# KiCad board owl-driver-board-16.kicad_pcb (continued)
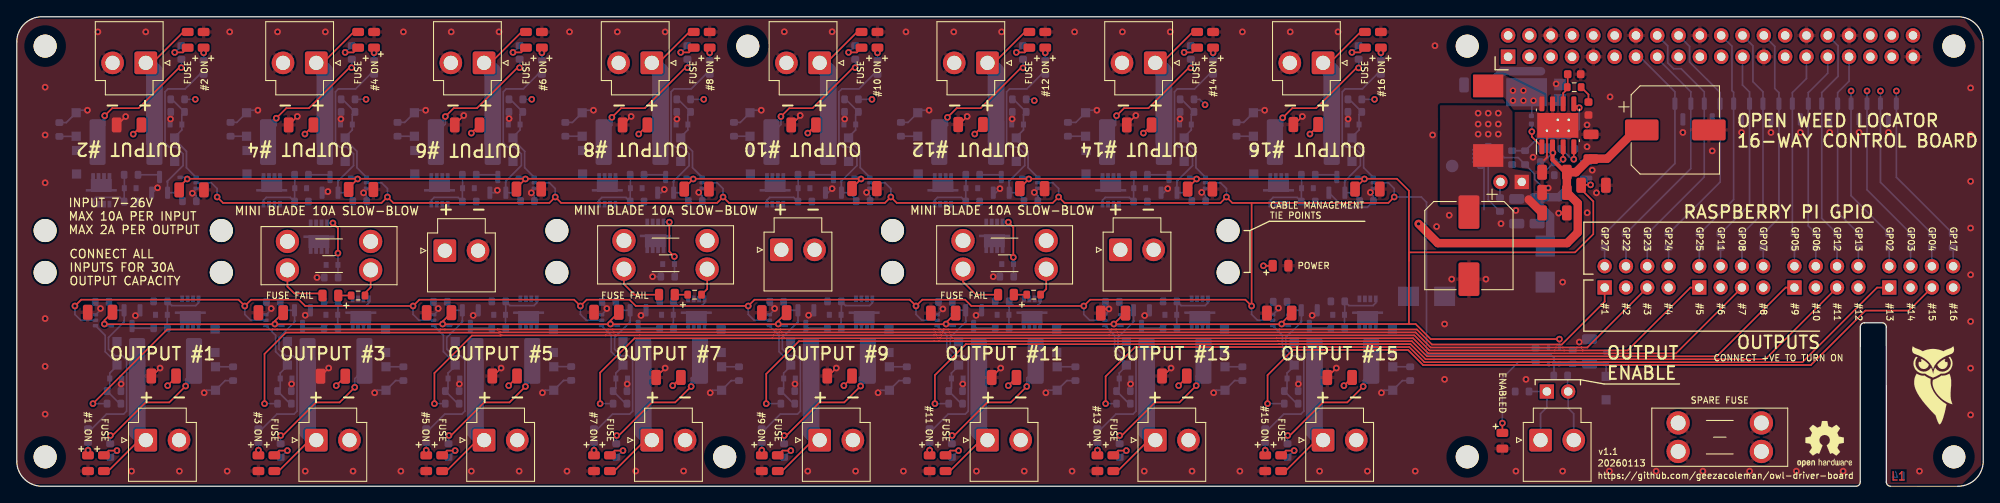
[diagram p0: board, top side]
## Placement (name value [footprint] x y rotation side) (continued)
R101  1k  [R_0603_1608Metric]  111.9 9.85 180 bottom
R102  10k  [R_0603_1608Metric]  111.9 11.35 180 bottom
R103  470  [R_0603_1608Metric]  108.8 6.05 90 bottom
R104  10k  [R_0603_1608Metric]  110.68 22 0 bottom
R105  1k  [R_0603_1608Metric]  117.45 22.05 180 bottom
R106  470  [R_0603_1608Metric]  117.45 18.85 0 bottom
R107  1k  [R_0603_1608Metric]  111.45 4.25 90 bottom
R108  1k  [R_0603_1608Metric]  119.49 46.15 0 bottom
R109  10k  [R_0603_1608Metric]  119.49 44.65 0 bottom
R110  470  [R_0603_1608Metric]  122.59 49.95 270 bottom
R111  10k  [R_0603_1608Metric]  120.88 34 180 bottom
R112  1k  [R_0603_1608Metric]  113.94 33.95 0 bottom
R113  470  [R_0603_1608Metric]  113.94 37.15 180 bottom
R114  1k  [R_0603_1608Metric]  119.94 51.75 270 bottom
R115  1k  [R_0603_1608Metric]  131.9 9.85 180 bottom
R116  10k  [R_0603_1608Metric]  131.9 11.35 180 bottom
R117  470  [R_0603_1608Metric]  128.8 6.05 90 bottom
R118  10k  [R_0603_1608Metric]  130.58 22 0 bottom
R119  1k  [R_0603_1608Metric]  137.45 22.05 180 bottom
R120  470  [R_0603_1608Metric]  137.45 18.85 0 bottom
R121  1k  [R_0603_1608Metric]  131.45 4.25 90 bottom
R122  1k  [R_0603_1608Metric]  139.49 46.15 0 bottom
R123  10k  [R_0603_1608Metric]  139.49 44.65 0 bottom
R124  470  [R_0603_1608Metric]  142.59 49.95 270 bottom
R125  10k  [R_0603_1608Metric]  140.88 34 180 bottom
R126  1k  [R_0603_1608Metric]  133.94 33.95 0 bottom
R127  470  [R_0603_1608Metric]  133.94 37.15 180 bottom
R128  1k  [R_0603_1608Metric]  139.94 51.75 270 bottom
R129  1k  [R_0603_1608Metric]  151.9 9.85 180 bottom
R130  10k  [R_0603_1608Metric]  151.9 11.35 180 bottom
R131  470  [R_0603_1608Metric]  148.8 6.05 90 bottom
R132  10k  [R_0603_1608Metric]  150.58 22 0 bottom
R133  1k  [R_0603_1608Metric]  157.45 22.05 180 bottom
R134  470  [R_0603_1608Metric]  157.45 18.85 0 bottom
R135  1k  [R_0603_1608Metric]  151.45 4.25 90 bottom
R136  1k  [R_0603_1608Metric]  159.49 46.15 0 bottom
R137  10k  [R_0603_1608Metric]  159.49 44.65 0 bottom
R138  470  [R_0603_1608Metric]  162.59 49.95 270 bottom
R139  10k  [R_0603_1608Metric]  160.88 34 180 bottom
R140  1k  [R_0603_1608Metric]  153.94 33.95 0 bottom
R141  470  [R_0603_1608Metric]  153.94 37.15 180 bottom
R142  1k  [R_0603_1608Metric]  159.94 51.75 270 bottom
R143  470  [R_0603_1608Metric]  219.56 29.3 270 bottom
R144  470  [R_0603_1608Metric]  216.96 29.3 270 bottom
R145  470  [R_0603_1608Metric]  214.46 29.3 270 bottom
R146  470  [R_0603_1608Metric]  211.86 29.3 270 bottom
R154  10k  [R_0603_1608Metric]  25.78 13.43 90 bottom
R155  10k  [R_0603_1608Metric]  5.08 42.55 270 bottom
R156  10k  [R_0603_1608Metric]  46.08 13.43 90 bottom
R157  10k  [R_0603_1608Metric]  25.48 42.58 270 bottom
R158  10k  [R_0603_1608Metric]  66.08 13.45 90 bottom
R159  10k  [R_0603_1608Metric]  45.38 42.58 270 bottom
R160  10k  [R_0603_1608Metric]  86.08 13.43 90 bottom
R161  10k  [R_0603_1608Metric]  65.38 42.58 270 bottom
R162  10k  [R_0603_1608Metric]  106.08 13.43 90 bottom
R163  10k  [R_0603_1608Metric]  85.48 42.58 270 bottom
R164  10k  [R_0603_1608Metric]  126.18 13.43 90 bottom
R165  10k  [R_0603_1608Metric]  105.38 42.58 270 bottom
R166  10k  [R_0603_1608Metric]  146.08 13.43 90 bottom
R167  10k  [R_0603_1608Metric]  125.28 42.58 270 bottom
R168  10k  [R_0603_1608Metric]  166.08 13.43 90 bottom
R169  10k  [R_0603_1608Metric]  145.38 42.58 270 bottom
TAB4  -  [Tab]  113.48 -0.2 90 top  (not fitted)
TAB4#2  -  [Tab]  -0.27 27.5 0 top  (not fitted)
TAB4#3  -  [Tab]  113.48 56.25 270 top  (not fitted)
TAB4#4  -  [Tab]  234.73 27.5 180 top  (not fitted)
TP1  TestPoint  [TestPoint_Pad_D1.5mm_NoSilk]  171.08 38.2 180 bottom
U1  TPS54531DDA  [Texas_R-PDSO-G8_EP2.95x4.9mm_Mask2.4x3.1mm_ThermalVias]  183.68 43.05 90 top
U3  LM73100  [LM73100-QFN10]  174.68 39.4 90 bottom
U5  74LVC1G08  [SOT-353_SC-70-5]  10.34 19.8 0 bottom
U6  74LVC1G08  [SOT-353_SC-70-5]  20.42 36.2 180 bottom
U7  74LVC1G08  [SOT-353_SC-70-5]  30.65 19.8 0 bottom
U8  74LVC1G08  [SOT-353_SC-70-5]  183.22 15.55 90 bottom
U9  XC6206P332MR  [SOT-23]  186.12 37.7 180 bottom
U10  74LVC1G08  [SOT-353_SC-70-5]  40.74 36.2 180 bottom
U11  74LVC1G08  [SOT-353_SC-70-5]  50.65 19.8 0 bottom
U12  74LVC1G08  [SOT-353_SC-70-5]  60.74 36.2 180 bottom
U13  74LVC1G08  [SOT-353_SC-70-5]  70.65 19.8 0 bottom
U14  74LVC1G08  [SOT-353_SC-70-5]  80.74 36.2 180 bottom
U15  74LVC1G08  [SOT-353_SC-70-5]  90.65 19.8 0 bottom
U16  74LVC1G08  [SOT-353_SC-70-5]  100.74 36.2 180 bottom
U17  74LVC1G08  [SOT-353_SC-70-5]  110.65 19.8 0 bottom
U18  74LVC1G08  [SOT-353_SC-70-5]  120.74 36.2 180 bottom
U19  74LVC1G08  [SOT-353_SC-70-5]  130.65 19.8 0 bottom
U20  74LVC1G08  [SOT-353_SC-70-5]  140.74 36.2 180 bottom
U21  74LVC1G08  [SOT-353_SC-70-5]  150.65 19.8 0 bottom
U22  74LVC1G08  [SOT-353_SC-70-5]  160.74 36.2 180 bottom

## Library data of the parts
C1-C6 C9-C11 C14-C16 C18-C20 C25 C29-C45 = -: LCSC: C13585; Part: CL31A106KBHNNNE; ki_fp_filters: C_*
C7 C12 C21 C26-C28 C46-C48 = -: Part: CL31A106KBHNNNE; LCSC: C13585; ki_fp_filters: C_*
C8 C13 = -: LCSC: C125977; ki_fp_filters: CP_*
C17 = -: LCSC: C307331; Part: CL05B104KB54PNC; ki_fp_filters: C_*
C22 = -: Datasheet: https://datasheet.lcsc.com/lcsc/1810221112_Samsung-Electro-Mechanics-CL31A106KBHNNNE_C13585.pdf; Part: CL10C100JB8NNNC; LCSC: C1634; ki_fp_filters: C_*
C23 = -: Datasheet: https://datasheet.lcsc.com/lcsc/1810221112_Samsung-Electro-Mechanics-CL31A106KBHNNNE_C13585.pdf; LCSC: C1870141; Part: GCM1885C1H202FA16J; ki_fp_filters: C_*
C24 = -: LCSC: C57112; Part: 0603B103K500NT; ki_fp_filters: C_*
D1 D4 D5 D19 D24 D32 D43 D55 D62 D69 D76 D83 D90 D97 D104 D111 D118 D125 D132 = -: LCSC: C2296; ki_fp_filters: LED* LED_SMD:* LED_THT:*
D2 D3 D15 D21 D26 D52 D59 D66 D73 D80 D87 D94 D101 D108 D115 D122 = -: Datasheet: https://www.lcsc.com/datasheet/C460799.pdf; LCSC: C460799; Part: BZT585B13T-7; ki_fp_filters: TO-???* *_Diode_* *SingleDiode* D_*
D6 D33 D39 D45-D50 D57 D64 D71 D78 D85 D92 D99 D106 D113 D120 D133 = -: Datasheet: https://datasheet.lcsc.com/lcsc/2401261513_BORN-BZT52C5V1T_C20612287.pdf; Note: 9V Zener; LCSC: C2987034; ki_fp_filters: TO-???* *_Diode_* *SingleDiode* D_*
D7 = -: Datasheet: https://www.vishay.com/doc?85881; LCSC: C315992; ki_fp_filters: D*SMF*
D8-D14 D17 D18 D20 D22 D23 D25 D27 D28 D40 D44 D53 D54 D56 D60 D61 D63 D67 D68 D70 D74 D75 D77 D81 D82 D84 D88 D89 D91 D95 D96 D98 D102 D103 D105 D109 D110 D112 D116 D117 D119 D123 D124 = -: Datasheet: https://datasheet.lcsc.com/lcsc/2304140030_TWGMC-DSK34_C727076.pdf; LCSC: C727076; ki_fp_filters: TO-???* *_Diode_* *SingleDiode* D_*
D16 = -: LCSC: C83333; ki_fp_filters: TO-???* *_Diode_* *SingleDiode* D_*
D29-D31 D37 D38 D41 D42 D51 D58 D65 D72 D79 D86 D93 D100 D107 D114 D121 = -: Datasheet: https://jlcpcb.com/api/file/downloadByFileSystemAccessId/8550724011370958848; LCSC: C2297; ki_fp_filters: LED* LED_SMD:* LED_THT:*
D34 D35 D126-D131 = -: Datasheet: https://datasheet.lcsc.com/lcsc/2201131330_Yangzhou-Yangjie-Elec-Tech-AZ23C3V3_C968007.pdf; LCSC: C968007; ki_fp_filters: SOT?23*
D36 = -: Datasheet: https://datasheet.lcsc.com/lcsc/1804140121_Diodes-Incorporated-PDS1040L-13_C154714.pdf; LCSC: C154714; ki_fp_filters: TO-???* *_Diode_* *SingleDiode* D_*
F1 F18 F19 = -: Datasheet: https://www.lcsc.com/datasheet/lcsc_datasheet_2410121830_XFCN-XF-508P-B-B_C19727305.pdf; Note: 10A-hold 30V mini blade fuse; LCSC: C19727305; ki_fp_filters: *polyfuse* *PTC*
F2 F5 = -: Datasheet: https://datasheet.lcsc.com/lcsc/1809131552_Littelfuse-2920L200DR_C207087.pdf; LCSC: C207087; Note: 2A self-resetting fuse; ki_fp_filters: *polyfuse* *PTC*
F3 F4 F6-F17 = -: Datasheet: https://datasheet.lcsc.com/lcsc/1809131552_Littelfuse-2920L200DR_C207087.pdf; Note: 2A self-resetting fuse; LCSC: C207087; ki_fp_filters: *polyfuse* *PTC*
F20 = -: Datasheet: https://www.lcsc.com/datasheet/lcsc_datasheet_2304140030_Jinrui-Electronic-Materials-Co--JK30-900_C369112.pdf; Note: Spare fuse; LCSC: C19727305; ki_fp_filters: *polyfuse* *PTC*
J2 = -: Datasheet: https://datasheet.lcsc.com/lcsc/1811132110_BOOMELE-Boom-Precision-Elec-C35165_C35165.pdf; LCSC: C35165; ki_fp_filters: *2X20*
J3-J5 J7 J8 J10 J12-J24 J26 = -: LCSC: C265114; ki_fp_filters: TerminalBlock*:*
J6 J25 J27 J29 = -: Datasheet: https://datasheet.lcsc.com/lcsc/2201121730_DEALON-DZ200R-22-08-39_C2935959.pdf; LCSC: C358693; ki_fp_filters: Connector*:*_2x??_*
J9 J11 = -: Datasheet: https://datasheet.lcsc.com/lcsc/1912111437_MINTRON-MTP220-1102S1_C376075.pdf; LCSC: C358684; ki_fp_filters: Connector*:*_1x??_*
L1 = -: Datasheet: https://datasheet.lcsc.com/lcsc/2307060944_DMBJ-CXP1050-100M-AG-10uh_C7461391.pdf; LCSC: C7461391; Part: CXP1050-100M-AG(10uh); ki_fp_filters: Choke_* *Coil* Inductor_* L_*
Q1-Q3 Q7 Q9 Q11 Q13 Q15 Q17 Q19 Q21 Q23 Q25 Q27 Q29 Q31 Q33-Q35 = -: Datasheet: https://datasheet.lcsc.com/lcsc/2309121403_AGM-Semi-AGM60P85AP_C17701049.pdf; LCSC: C17701049; ki_fp_filters: TO?252*
Q4-Q6 Q8 Q10 Q12 Q14 Q16 Q18 Q20 Q22 Q24 Q26 Q28 Q30 Q32 = -: Datasheet: https://datasheet.lcsc.com/lcsc/1810151612_Jiangsu-Changjing-Electronics-Technology-Co---Ltd--2N7002_C8545.pdf; LCSC: C8545
R1-R5 R9 R10 R13 R15 R17 R18 R20 R22-R24 R26 R48-R50 R52 R65 R66 R70 R72 R73 R77 R79 R80 R84 R86 R87 R91 R93 R94 R98 R100 R101 R105 R107 R108 R112 R114 R115 R119 R121 R122 R126 R128 R129 R133 R135 R136 R140 R142 = -: Datasheet: https://datasheet.lcsc.com/lcsc/2206010130_UNI-ROYAL-Uniroyal-Elec-0603WAF1001T5E_C21190.pdf; LCSC: C21190; ki_fp_filters: R_*
R6 R7 R16 R21 R29-R40 R55 R58-R61 R63 R64 R68 R71 R75 R78 R82 R85 R89 R92 R96 R99 R103 R106 R110 R113 R117 R120 R124 R127 R131 R134 R138 R141 R143-R146 = -: Datasheet: https://datasheet.lcsc.com/lcsc/2205311845_UNI-ROYAL-Uniroyal-Elec-0603WAJ0471T5E_C25241.pdf; LCSC: C25241; ki_fp_filters: R_*
R8 R11 R12 R14 R19 R25 R27 R47 R51 R53 R54 R56 R57 R62 R67 R69 R74 R76 R81 R83 R88 R90 R95 R97 R102 R104 R109 R111 R116 R118 R123 R125 R130 R132 R137 R139 R154-R169 = -: Datasheet: https://datasheet.lcsc.com/lcsc/2206010216_UNI-ROYAL-Uniroyal-Elec-0603WAJ0103T5E_C15401.pdf; LCSC: C15401; ki_fp_filters: R_*
R41 = -: Datasheet: https://datasheet.lcsc.com/lcsc/2206010216_UNI-ROYAL-Uniroyal-Elec-0603WAJ0103T5E_C15401.pdf; LCSC: C22816; Part: 0603WAF1653T5E; ki_fp_filters: R_*
R42 = -: Datasheet: https://datasheet.lcsc.com/lcsc/2206010216_UNI-ROYAL-Uniroyal-Elec-0603WAJ0103T5E_C15401.pdf; LCSC: C22772; Part: 0603WAF1022T5E; ki_fp_filters: R_*
R43 = -: Datasheet: https://datasheet.lcsc.com/lcsc/2206010216_UNI-ROYAL-Uniroyal-Elec-0603WAJ0103T5E_C15401.pdf; LCSC: C23172; Part: 0603WAF4302T5E; ki_fp_filters: R_*
R44 = -: Datasheet: https://datasheet.lcsc.com/lcsc/2206010216_UNI-ROYAL-Uniroyal-Elec-0603WAJ0103T5E_C15401.pdf; LCSC: C22803; Note: 0603WAF1402T5E; Part: 0603WAF1402T5E; ki_fp_filters: R_*
R45 = -: Datasheet: https://datasheet.lcsc.com/lcsc/2206010216_UNI-ROYAL-Uniroyal-Elec-0603WAJ0103T5E_C15401.pdf; LCSC: C22850; Part: 0603WAF1871T5E; ki_fp_filters: R_*
R46 = -: Datasheet: https://datasheet.lcsc.com/lcsc/2206010216_UNI-ROYAL-Uniroyal-Elec-0603WAJ0103T5E_C15401.pdf; LCSC: C23146; Part: 0603WAF3603T5E; ki_fp_filters: R_*
TP1 = -: ki_fp_filters: Pin* Test*
U1 = -: Datasheet: https://www.ti.com/lit/ds/symlink/tps54560b.pdf; LCSC: C50605; Part: TPS54531DDAR; ki_fp_filters: Texas*R*PDSO*G8*
U3 = -: Datasheet: https://www.ti.com/lit/ds/symlink/lm7310.pdf; LCSC: C3210761; Part: LM73100RPWR; ki_fp_filters: Texas*R*PDSO*G8*
U5-U8 U10-U22 = -: Datasheet: https://datasheet.lcsc.com/lcsc/1809291813_Nexperia-74LVC1G08GW-125_C12512.pdf; Description: Single AND Gate, Low-Voltage CMOS; Part: 74LVC1G08GW,125; LCSC: C12512; ki_fp_filters: SOT?23* Texas?R-PDSO-G5?DCK* Texas?R-PDSO-N5?DRL* Texas?X2SON*0.8x0.8mm*P0.48mm*
U9 = -: Datasheet: https://www.diodes.com/assets/Datasheets/AZ1117.pdf; Description: 1A 20V Fixed LDO Linear Regulator, 3.3V, SOT-89/SOT-223/TO-220/TO-252/TO-263; LCSC: C5148692; ki_fp_filters: SOT?223* SOT?89* TO?220* TO?252* TO?263*

## Footprints (pads in the part's own frame, mm; a bottom-side part is the same pattern mirrored in y, then rotated)
C_0402_1005Metric_nosilk
  rrect 0.56x0.62 smd: 1(-0.48,0) 2(0.48,0)
C_0603_1608Metric_nosilk
  rrect 0.9x0.95 smd: 1(-0.775,0) 2(0.775,0)
C_1206_3216Metric_nosilk
  rrect 1.15x1.8 smd: 1(-1.475,0) 2(1.475,0)
Connector_PinHeader_2x04_P2.54mm_Vertical_nosilk
  rect 1.7x1.7 hole 1: 1(0,0)
  oval 1.7x1.7 hole 1: 2(2.54,0) 3(0,-2.54) 4(2.54,-2.54) 5(0,-5.08) 6(2.54,-5.08) 7(0,-7.62) 8(2.54,-7.62)
CP_Elec_10x10
  rrect 4x2.5 smd: 1(-4,0) 2(4,0)
D_PowerDI-5
  rect 4.86x3.36 smd: 1(-1.12,0)
  rect 1.4x1.39 smd: 2(2.862,-0.92) 2(2.862,0.92)
D_SMB_silkpolarity
  rect 2.5x2.3 smd: 1(-2.15,0) 2(2.15,0)
D_SOD-123F_silkpolarity
  rect 1.1x1.1 smd: 1(-1.4,0) 2(1.4,0)
D_SOD-523_silkpolarity
  rect 0.6x0.7 smd: 1(-0.7,0) 2(0.7,0)
Fuse_2920_7451Metric_nosilk
  rrect 1.925x5.45 smd: 1(-3.388,0) 2(3.388,0)
Fuseholder_Blade_Mini_Keystone_3568
  round 2.78 hole 1.78: 1(0,0) 1(0,-3.4) 2(9.92,0) 2(9.92,-3.4)
JST_VH_B2P-VH_1x02_P3.96mm_Vertical
  rrect 2.7x2.7 hole 1.7: 1(0,0)
  round 2.7 hole 1.7: 2(3.96,0)
L_10.4x10.4_H4.8
  rect 2.7x3.6 smd: 1(-4.15,0) 2(4.15,0)
LED_0805_2012Metric
  rrect 0.975x1.4 smd: 1(-0.938,0) 2(0.938,0)
LM73100-QFN10
  custom 0.6x0.65 smd: 1(-0.9,0.7) 4(-0.9,-0.7) 7(0.9,-0.7) 10(0.9,0.7)
  rrect 0.6x0.25 smd: 2(-0.9,0.225) 3(-0.9,-0.225) 8(0.9,-0.225) 9(0.9,0.225)
  rrect 0.3x2.4 smd: 5(-0.25,0) 6(0.25,0)
PDFN-8-3.3x3.3
  custom 0.45x0.8 smd: 1(-3.825,3.75) 3(-3.175,3.75) 3(-2.525,3.75) 3(-1.875,3.75)
  custom 3.7x2.25 smd: 2(-2.84,2.1)
Pin_Header_Straight_2x20
  rect 1.727x1.727 hole 1.016: 1(-1.27,24.13)
  oval 1.727x1.727 hole 1.016: 2(1.27,24.13) 3(-1.27,21.59) 4(1.27,21.59) 5(-1.27,19.05) 6(1.27,19.05) 7(-1.27,16.51) 8(1.27,16.51) 9(-1.27,13.97) 10(1.27,13.97) 11(-1.27,11.43) 12(1.27,11.43) 13(-1.27,8.89) 14(1.27,8.89) 15(-1.27,6.35) 16(1.27,6.35) 17(-1.27,3.81) 18(1.27,3.81) 19(-1.27,1.27) 20(1.27,1.27) 21(-1.27,-1.27) 22(1.27,-1.27) 23(-1.27,-3.81) 24(1.27,-3.81) 25(-1.27,-6.35) 26(1.27,-6.35) 27(-1.27,-8.89) 28(1.27,-8.89) 29(-1.27,-11.43) 30(1.27,-11.43) 31(-1.27,-13.97) 32(1.27,-13.97) 33(-1.27,-16.51) 34(1.27,-16.51) 35(-1.27,-19.05) 36(1.27,-19.05) 37(-1.27,-21.59) 38(1.27,-21.59) 39(-1.27,-24.13) 40(1.27,-24.13)
PinHeader_1x02_P2.54mm_Vertical_nosilk
  rect 1.7x1.7 hole 1: 1(0,0)
  oval 1.7x1.7 hole 1: 2(0,-2.54)
R_0603_1608Metric
  rrect 0.8x0.95 smd: 1(-0.825,0) 2(0.825,0)
RPi_Hat_Mounting_Hole
  round 2.75 hole 2.75 unplated: (0,0)
SOT-23
  rrect 1.475x0.6 smd: 1(-0.938,0.95) 2(-0.938,-0.95) 3(0.938,0)
SOT-23_nosilk
  rrect 1.475x0.6 smd: 1(-0.938,0.95) 2(-0.938,-0.95) 3(0.938,0)
SOT-353_SC-70-5
  rrect 0.65x0.4 smd: 1(-0.95,0.65) 2(-0.95,0) 3(-0.95,-0.65) 4(0.95,-0.65) 5(0.95,0.65)
TestPoint_Pad_D1.5mm_NoSilk
  round 1.5 smd: 1(0,0)
Texas_R-PDSO-G8_EP2.95x4.9mm_Mask2.4x3.1mm_ThermalVias
  rrect 1.04x0.89 smd: (-0.6,1.03) (-0.6,0) (-0.6,-1.03) (0.6,1.03) (0.6,0) (0.6,-1.03)
  rect 2.4x3.1 smd: (0,0)
  rrect 1.775x0.6 smd: 1(-2.562,1.905) 2(-2.562,0.635) 3(-2.562,-0.635) 4(-2.562,-1.905) 5(2.562,-1.905) 6(2.562,-0.635) 7(2.562,0.635) 8(2.562,1.905)
  round 0.6 hole 0.3: 9(-0.65,1.3) 9(-0.65,0) 9(-0.65,-1.3) 9(0.65,0) 9(0.65,-1.3)
  rect 1.8x3.1 smd far side: 9(0,0)
  rect 2.95x4.9 smd: 9(0,0)

## Nets
+3V3: C29.1 C30.1 C31.1 C32.1 C33.1 C34.1 C35.1 C36.1 C37.1 C38.1 C39.1 C40.1 C41.1 C42.1 C43.1 C44.1 C45.1 U5.5 U6.5 U7.5 U8.5 U9.2 U10.5 U11.5 U12.5 U13.5 U14.5 U15.5 U16.5 U17.5 U18.5 U19.5 U20.5 U21.5 U22.5
+5V: C9.1 C13.1 C14.1 C20.1 D16.1 J9.1 L1.2 R42.2 U9.3
GND: C1.2 C2.2 C3.2 C4.2 C5.2 C6.2 C7.2 C8.2 C9.2 C10.2 C11.2 C12.2 C13.2 C14.2 C15.2 C16.2 C18.2 C19.2 C20.2 C21.2 C22.2 C23.2 C24.2 C25.2 C26.2 C27.2 C28.2 C29.2 C30.2 C31.2 C32.2 C33.2 C34.2 C35.2 C36.2 C37.2 C38.2 C39.2 C40.2 C41.2 C42.2 C43.2 C44.2 C45.2 C46.2 C47.2 C48.2 D7.2 D10.2 D11.2 D16.2 D18.2 D23.2 D28.2 D29.1 D30.1 D31.1 D34.3 D35.3 D36.2 D37.1 D38.1 D39.2 D41.1 D42.1 D45.2 D46.2 D47.2 D48.2 D49.2 D50.2 D51.1 D54.2 D57.2 D58.1 D61.2 D64.2 D65.1 D68.2 D71.2 D72.1 D75.2 D78.2 D79.1 D82.2 D85.2 D86.1 D89.2 D92.2 D93.1 D96.2 D99.2 D100.1 D103.2 D106.2 D107.1 D110.2 D113.2 D114.1 D117.2 D120.2 D121.1 D124.2 D126.3 D127.3 D128.3 D129.3 D130.3 D131.3 F20.1 F20.2 J2.6 J2.9 J2.14 J2.20 J2.25 J2.30 J2.34 J2.39 J3.2 J4.2 J5.2 J7.2 J8.2 J12.2 J13.2 J14.2 J15.2 J16.2 J17.2 J18.2 J19.2 J20.2 J21.2 J22.2 J23.2 J24.2 J26.2 Q4.2 Q5.2 Q6.2 Q8.2 Q10.2 Q12.2 Q14.2 Q16.2 Q18.2 Q20.2 Q22.2 Q24.2 Q26.2 Q28.2 Q30.2 Q32.2 R8.1 R11.1 R12.1 R14.1 R19.1 R25.1 R27.1 R43.1 R45.1 R47.2 R51.1 R53.1 R54.1 R56.1 R57.1 R62.1 R67.1 R69.1 R74.1 R76.1 R81.1 R83.1 R88.1 R90.1 R95.1 R97.1 R102.1 R104.1 R109.1 R111.1 R116.1 R118.1 R123.1 R125.1 R130.1 R132.1 R137.1 R139.1 R154.1 R155.1 R156.1 R157.1 R158.1 R159.1 R160.1 R161.1 R162.1 R163.1 R164.1 R165.1 R166.1 R167.1 R168.1 R169.1 U1.7 U1.9 U3.2 U3.4 U3.8 U3.9 U5.3 U6.3 U7.3 U8.3 U9.1 U10.3 U11.3 U12.3 U13.3 U14.3 U15.3 U16.3 U17.3 U18.3 U19.3 U20.3 U21.3 U22.3
VCC: C1.1 C2.1 C3.1 C4.1 C5.1 C6.1 C7.1 C8.1 C11.1 C12.1 C15.1 C16.1 C18.1 C19.1 C21.1 C26.1 C27.1 C28.1 C46.1 C47.1 C48.1 D2.1 D3.1 D6.1 D7.1 D8.1 D9.1 D12.1 D13.1 D14.1 D15.1 D17.1 D20.1 D21.1 D22.1 D25.1 D26.1 D27.1 D33.1 D40.1 D44.1 D52.1 D53.1 D56.1 D59.1 D60.1 D63.1 D66.1 D67.1 D70.1 D73.1 D74.1 D77.1 D80.1 D81.1 D84.1 D87.1 D88.1 D91.1 D94.1 D95.1 D98.1 D101.1 D102.1 D105.1 D108.1 D109.1 D112.1 D115.1 D116.1 D119.1 D122.1 D123.1 D133.1 Q1.3 Q2.3 Q3.3 Q7.3 Q9.3 Q11.3 Q13.3 Q15.3 Q17.3 Q19.3 Q21.3 Q23.3 Q25.3 Q27.3 Q29.3 Q31.3 Q33.3 Q34.3 Q35.3 R2.2 R3.2 R15.2 R20.2 R23.2 R41.2 R48.1 R52.2 R70.2 R77.2 R84.2 R91.2 R98.2 R105.2 R112.2 R119.2 R126.2 R133.2 R140.2 U1.2
/BOOT: C17.1 U1.1
/COMP: C22.1 R44.1 U1.6
/EN: R41.1 R43.2 U1.3
/Output chain 1/DRAIN: D8.2 D10.1 F2.1 Q2.2 R4.2 R154.2
/Output chain 1/GATE: D2.2 Q2.1 R2.1 R6.2
/Output chain 1/OUTPUT+: D4.1 F2.2 J4.1
/Output chain 2/DRAIN: D9.2 D11.1 F3.1 Q3.2 R5.2 R155.2
/Output chain 2/GATE: D3.2 Q3.1 R3.1 R7.2
/Output chain 2/OUTPUT+: D5.1 F3.2 J5.1
/Output chain 3/DRAIN: D17.2 D18.1 F4.1 Q7.2 R17.2 R156.2
/Output chain 3/GATE: D15.2 Q7.1 R15.1 R16.2
/Output chain 3/OUTPUT+: D19.1 F4.2 J7.1
/Output chain 4/DRAIN: D22.2 D23.1 F5.1 Q9.2 R22.2 R157.2
/Output chain 4/GATE: D21.2 Q9.1 R20.1 R21.2
/Output chain 4/OUTPUT+: D24.1 F5.2 J8.1
/Output chain 5/DRAIN: D27.2 D28.1 F6.1 Q11.2 R65.2 R158.2
/Output chain 5/GATE: D26.2 Q11.1 R52.1 R64.2
/Output chain 5/OUTPUT+: D43.1 F6.2 J12.1
/Output chain 6/DRAIN: D53.2 D54.1 F7.1 Q13.2 R72.2 R159.2
/Output chain 6/GATE: D52.2 Q13.1 R70.1 R71.2
/Output chain 6/OUTPUT+: D55.1 F7.2 J13.1
/Output chain 7/DRAIN: D60.2 D61.1 F8.1 Q15.2 R79.2 R160.2
/Output chain 7/GATE: D59.2 Q15.1 R77.1 R78.2
/Output chain 7/OUTPUT+: D62.1 F8.2 J14.1
/Output chain 8/DRAIN: D67.2 D68.1 F9.1 Q17.2 R86.2 R161.2
/Output chain 8/GATE: D66.2 Q17.1 R84.1 R85.2
/Output chain 8/OUTPUT+: D69.1 F9.2 J15.1
/Output chain 9/DRAIN: D74.2 D75.1 F10.1 Q19.2 R93.2 R162.2
/Output chain 9/GATE: D73.2 Q19.1 R91.1 R92.2
/Output chain 9/OUTPUT+: D76.1 F10.2 J16.1
/Output chain 10/DRAIN: D81.2 D82.1 F11.1 Q21.2 R100.2 R163.2
/Output chain 10/GATE: D80.2 Q21.1 R98.1 R99.2
/Output chain 10/OUTPUT+: D83.1 F11.2 J17.1
/Output chain 11/DRAIN: D88.2 D89.1 F12.1 Q23.2 R107.2 R164.2
/Output chain 11/GATE: D87.2 Q23.1 R105.1 R106.2
/Output chain 11/OUTPUT+: D90.1 F12.2 J18.1
/Output chain 12/DRAIN: D95.2 D96.1 F13.1 Q25.2 R114.2 R165.2
/Output chain 12/GATE: D94.2 Q25.1 R112.1 R113.2
/Output chain 12/OUTPUT+: D97.1 F13.2 J19.1
/Output chain 13/DRAIN: D102.2 D103.1 F14.1 Q27.2 R121.2 R166.2
/Output chain 13/GATE: D101.2 Q27.1 R119.1 R120.2
/Output chain 13/OUTPUT+: D104.1 F14.2 J20.1
/Output chain 14/DRAIN: D109.2 D110.1 F15.1 Q29.2 R128.2 R167.2
/Output chain 14/GATE: D108.2 Q29.1 R126.1 R127.2
/Output chain 14/OUTPUT+: D111.1 F15.2 J21.1
/Output chain 15/DRAIN: D116.2 D117.1 F16.1 Q31.2 R135.2 R168.2
/Output chain 15/GATE: D115.2 Q31.1 R133.1 R134.2
/Output chain 15/OUTPUT+: D118.1 F16.2 J22.1
/Output chain 16/DRAIN: D123.2 D124.1 F17.1 Q33.2 R142.2 R169.2
/Output chain 16/GATE: D122.2 Q33.1 R140.1 R141.2
/Output chain 16/OUTPUT+: D125.1 F17.2 J23.1
/PI13_GPIO: D128.1 J2.3 R40.1
/PI14_GPIO: D128.2 J2.5 R37.1
/PI15_GPIO: D129.1 J2.7 R36.1
/PI16_GPIO: D129.2 J2.11 R35.1
/PI_5V0_P: J9.2 R46.2 U3.5
/SS: C24.1 U1.4
/SW: C17.2 D36.1 L1.1 U1.8
/VSENSE: R42.1 R45.2 U1.5
ENABLE: C25.1 D39.1 D40.2 R47.1 R49.2 U5.2 U6.2 U7.2 U8.1 U8.2 U10.2 U11.2 U12.2 U13.2 U14.2 U15.2 U16.2 U17.2 U18.2 U19.2 U20.2 U21.2 U22.2
MOSFET1: J6.1 R9.2
MOSFET2: J6.3 R10.2
MOSFET3: J6.5 R13.2
MOSFET4: J6.7 R18.2
MOSFET5: J25.1 R50.2
MOSFET6: J25.3 R66.2
MOSFET7: J25.5 R73.2
MOSFET8: J25.7 R80.2
MOSFET9: J27.1 R87.2
MOSFET10: J27.3 R94.2
MOSFET11: J27.5 R101.2
MOSFET12: J27.7 R108.2
MOSFET13: J29.1 R115.2
MOSFET14: J29.3 R122.2
MOSFET15: J29.5 R129.2
MOSFET16: J29.7 R136.2
PI1: J6.2 R38.2
PI2: J6.4 R29.2
PI3: J6.6 R30.2
PI4: J6.8 R31.2
PI5: J25.2 R39.2
PI6: J25.4 R34.2
PI7: J25.6 R33.2
PI8: J25.8 R32.2
PI9: J27.2 R146.2
PI10: J27.4 R145.2
PI11: J27.6 R144.2
PI12: J27.8 R143.2
PI13: J29.2 R40.2
PI14: J29.4 R37.2
PI15: J29.6 R36.2
PI16: J29.8 R35.2
PI_5V0: C10.1 J2.2 J2.4 TP1.1 U3.6
Net-(C23-Pad1): C23.1 R44.2
Net-(D1-A): D1.2 R1.1
Net-(D1-K): D1.1 F1.2 Q1.2
Net-(D4-A): D4.2 R4.1
Net-(D5-A): D5.2 R5.1
Net-(D6-A): D6.2 Q1.1 R8.2
Net-(D12-A): D12.2 D45.1 R9.1 R53.2 U5.1
Net-(D13-A): D13.2 D46.1 R10.1 R54.2 U6.1
Net-(D14-A): D14.2 D47.1 R13.1 R56.2 U7.1
Net-(D19-A): D19.2 R17.1
Net-(D20-A): D20.2 D48.1 R18.1 R57.2 U10.1
Net-(D24-A): D24.2 R22.1
Net-(D25-A): D25.2 D49.1 R50.1 R62.2 U11.1
Net-(D29-A): D29.2 R58.1
Net-(D30-A): D30.2 R59.1
Net-(D31-A): D31.2 R60.1
Net-(D32-A): D32.2 R24.1
Net-(D32-K): D32.1 F18.2 Q34.2
Net-(D33-A): D33.2 Q34.1 R25.2
Net-(D37-A): D37.2 R61.1
Net-(D38-A): D38.2 R23.1
Net-(D41-A): D41.2 R55.1
Net-(D42-A): D42.2 R63.1
Net-(D43-A): D43.2 R65.1
Net-(D44-A): D44.2 D50.1 R66.1 R67.2 U12.1
Net-(D51-A): D51.2 R68.1
Net-(D55-A): D55.2 R72.1
Net-(D56-A): D56.2 D57.1 R73.1 R74.2 U13.1
Net-(D58-A): D58.2 R75.1
Net-(D62-A): D62.2 R79.1
Net-(D63-A): D63.2 D64.1 R80.1 R81.2 U14.1
Net-(D65-A): D65.2 R82.1
Net-(D69-A): D69.2 R86.1
Net-(D70-A): D70.2 D71.1 R87.1 R88.2 U15.1
Net-(D72-A): D72.2 R89.1
Net-(D76-A): D76.2 R93.1
Net-(D77-A): D77.2 D78.1 R94.1 R95.2 U16.1
Net-(D79-A): D79.2 R96.1
Net-(D83-A): D83.2 R100.1
Net-(D84-A): D84.2 D85.1 R101.1 R102.2 U17.1
Net-(D86-A): D86.2 R103.1
Net-(D90-A): D90.2 R107.1
Net-(D91-A): D91.2 D92.1 R108.1 R109.2 U18.1
Net-(D93-A): D93.2 R110.1
Net-(D97-A): D97.2 R114.1
Net-(D98-A): D98.2 D99.1 R115.1 R116.2 U19.1
Net-(D100-A): D100.2 R117.1
Net-(D104-A): D104.2 R121.1
Net-(D105-A): D105.2 D106.1 R122.1 R123.2 U20.1
Net-(D107-A): D107.2 R124.1
Net-(D111-A): D111.2 R128.1
Net-(D112-A): D112.2 D113.1 R129.1 R130.2 U21.1
Net-(D114-A): D114.2 R131.1
Net-(D118-A): D118.2 R135.1
Net-(D119-A): D119.2 D120.1 R136.1 R137.2 U22.1
Net-(D121-A): D121.2 R138.1
Net-(D125-A): D125.2 R142.1
Net-(D132-A): D132.2 R26.1
Net-(D132-K): D132.1 F19.2 Q35.2
Net-(D133-A): D133.2 Q35.1 R27.2
Net-(J2-CE0): D127.1 J2.24 R33.1
Net-(J2-CE1): D127.2 J2.26 R32.1
Net-(J2-GP5): D131.1 J2.29 R146.1
Net-(J2-GP6): D131.2 J2.31 R145.1
Net-(J2-GP12): D130.1 J2.32 R144.1
Net-(J2-GP13): D130.2 J2.33 R143.1
Net-(J2-GP22): D34.2 J2.15 R29.1
Net-(J2-GP23): D35.1 J2.16 R30.1
Net-(J2-GP24): D35.2 J2.18 R31.1
Net-(J2-GP25): D126.1 J2.22 R39.1
Net-(J2-GP27): D34.1 J2.13 R38.1
Net-(J2-SCLK): D126.2 J2.23 R34.1
Net-(J3-Pin_1): F1.1 J3.1 R1.2
Net-(J10-Pin_1): J10.1 J11.1 R48.2
Net-(J10-Pin_2): J10.2 J11.2 R49.1
Net-(J24-Pin_1): F18.1 J24.1 R24.2
Net-(J26-Pin_1): F19.1 J26.1 R26.2
Net-(Q4-D): Q4.3 R6.1
Net-(Q4-G): Q4.1 R11.2 R58.2 U5.4
Net-(Q5-D): Q5.3 R7.1
Net-(Q5-G): Q5.1 R12.2 R59.2 U6.4
Net-(Q6-D): Q6.3 R16.1
Net-(Q6-G): Q6.1 R14.2 R60.2 U7.4
Net-(Q8-D): Q8.3 R21.1
Net-(Q8-G): Q8.1 R19.2 R61.2 U10.4
Net-(Q10-D): Q10.3 R64.1
Net-(Q10-G): Q10.1 R51.2 R63.2 U11.4
Net-(Q12-D): Q12.3 R71.1
Net-(Q12-G): Q12.1 R68.2 R69.2 U12.4
Net-(Q14-D): Q14.3 R78.1
Net-(Q14-G): Q14.1 R75.2 R76.2 U13.4
Net-(Q16-D): Q16.3 R85.1
Net-(Q16-G): Q16.1 R82.2 R83.2 U14.4
Net-(Q18-D): Q18.3 R92.1
Net-(Q18-G): Q18.1 R89.2 R90.2 U15.4
Net-(Q20-D): Q20.3 R99.1
Net-(Q20-G): Q20.1 R96.2 R97.2 U16.4
Net-(Q22-D): Q22.3 R106.1
Net-(Q22-G): Q22.1 R103.2 R104.2 U17.4
Net-(Q24-D): Q24.3 R113.1
Net-(Q24-G): Q24.1 R110.2 R111.2 U18.4
Net-(Q26-D): Q26.3 R120.1
Net-(Q26-G): Q26.1 R117.2 R118.2 U19.4
Net-(Q28-D): Q28.3 R127.1
Net-(Q28-G): Q28.1 R124.2 R125.2 U20.4
Net-(Q30-D): Q30.3 R134.1
Net-(Q30-G): Q30.1 R131.2 R132.2 U21.4
Net-(Q32-D): Q32.3 R141.1
Net-(Q32-G): Q32.1 R138.2 R139.2 U22.4
Net-(R55-Pad2): R55.2 U8.4
Net-(U3-EN): R46.1 U3.1

Pads without a net: J2 1 8 10 12 17 19 21 27 28 35 36 37 38 40; U3 3 7 10

## Via types
v1: diameter 0.8, hole 0.4, Top to Bottom, 343 vias

## Routing (per net, layer and track width the routed paths; a pad name or vN(x,y) marks a point on that pad's centre or on a via; arc(x,y) is an arc through that point)
+3V3: length 412.5
  Top w0.2: v1(150.76,19.35) 150.73,19.32 130.79,19.32 v1(130.76,19.35) ; v1(150.76,19.35) 165.98,19.35 ; v1(150.76,19.35) 150.76,19.46 C44.1 ; v1(80.63,36.65) 80.6,36.68 60.65,36.68 v1(60.63,36.65) ; v1(80.63,36.65) 80.65,36.68 100.6,36.68 v1(100.63,36.65) ; v1(80.63,36.65) 79.55,35.58 C37.1 ; C33.1 39.55,35.58 v1(40.63,36.65) ; 11.4,20.75 10.45,19.79 v1(10.45,19.35) 10.47,19.32 30.73,19.32 v1(30.76,19.35) ; v1(30.76,19.35) 30.76,19.71 C32.1 ; v1(30.76,19.35) 30.79,19.32 50.73,19.32 v1(50.76,19.35) ; 165.98,19.35 165.93,19.4 165.93,26.9 ; 165.98,19.35 166.73,19.35 168.53,17.55 v1(183.87,17.55) ; v1(50.76,19.35) 50.76,19.66 C34.1 ; v1(50.76,19.35) 50.79,19.32 70.73,19.32 v1(70.76,19.35) ; v1(160.63,36.65) 159.5,35.53 C45.1 ; v1(160.63,36.65) 160.65,36.68 164.5,36.68 165.93,35.25 165.93,26.9 ; v1(160.63,36.65) 160.6,36.68 140.65,36.68 v1(140.63,36.65) ; 91.75,20.7 90.76,19.71 v1(90.76,19.35) ; C43.1 139.55,35.58 v1(140.63,36.65) ; v1(130.76,19.35) 130.73,19.32 110.79,19.32 v1(110.76,19.35) ; v1(130.76,19.35) 132.06,20.65 132.15,20.65 ; v1(40.63,36.65) 40.6,36.68 20.34,36.68 v1(20.31,36.65) 19.35,35.69 C31.1 ; v1(40.63,36.65) 40.65,36.68 60.6,36.68 v1(60.63,36.65) ; v1(90.76,19.35) 90.79,19.32 110.73,19.32 v1(110.76,19.35) ; v1(90.76,19.35) 90.73,19.32 70.79,19.32 v1(70.76,19.35) ; v1(110.76,19.35) 110.76,19.51 C40.1 ; v1(100.63,36.65) 99.55,35.58 99.55,35.5 ; v1(100.63,36.65) 100.65,36.68 120.6,36.68 v1(120.63,36.65) ; v1(70.76,19.35) 70.76,19.76 71.75,20.75 ; v1(140.63,36.65) 140.6,36.68 120.65,36.68 v1(120.63,36.65) ; v1(120.63,36.65) 119.55,35.58 C41.1 ; v1(60.63,36.65) 59.55,35.58 C35.1 ; 165.93,26.9 165.93,27.9 185.73,27.9 187.9,30.08 187.9,33.98 186.45,35.43 C30.1 186.5,35.95 v1(187.58,35.95)
  Bottom w0.2: U14.5 80.43,36.85 v1(80.63,36.65) ; U5.5 10.65,19.15 v1(10.45,19.35) ; U11.5 50.96,19.15 v1(50.76,19.35) ; v1(70.76,19.35) 70.96,19.15 U13.5 ; U19.5 130.96,19.15 v1(130.76,19.35) ; U17.5 110.96,19.15 v1(110.76,19.35) ; v1(40.63,36.65) 40.43,36.85 U10.5 ; v1(150.76,19.35) 150.96,19.15 U21.5 ; U7.5 30.96,19.15 v1(30.76,19.35) ; v1(90.76,19.35) 90.96,19.15 U15.5 ; v1(120.63,36.65) 120.43,36.85 U18.5 ; v1(20.31,36.65) 20.11,36.85 U6.5 ; v1(187.58,35.95) 187.05,36.48 U9.2 ; v1(60.63,36.65) 60.43,36.85 U12.5 ; v1(183.87,17.55) U8.5 ; U16.5 100.43,36.85 v1(100.63,36.65) ; v1(160.63,36.65) 160.43,36.85 U22.5 ; v1(140.63,36.65) 140.43,36.85 U20.5
